# KiCad board amix 68k(r1).kicad_pcb (continued)
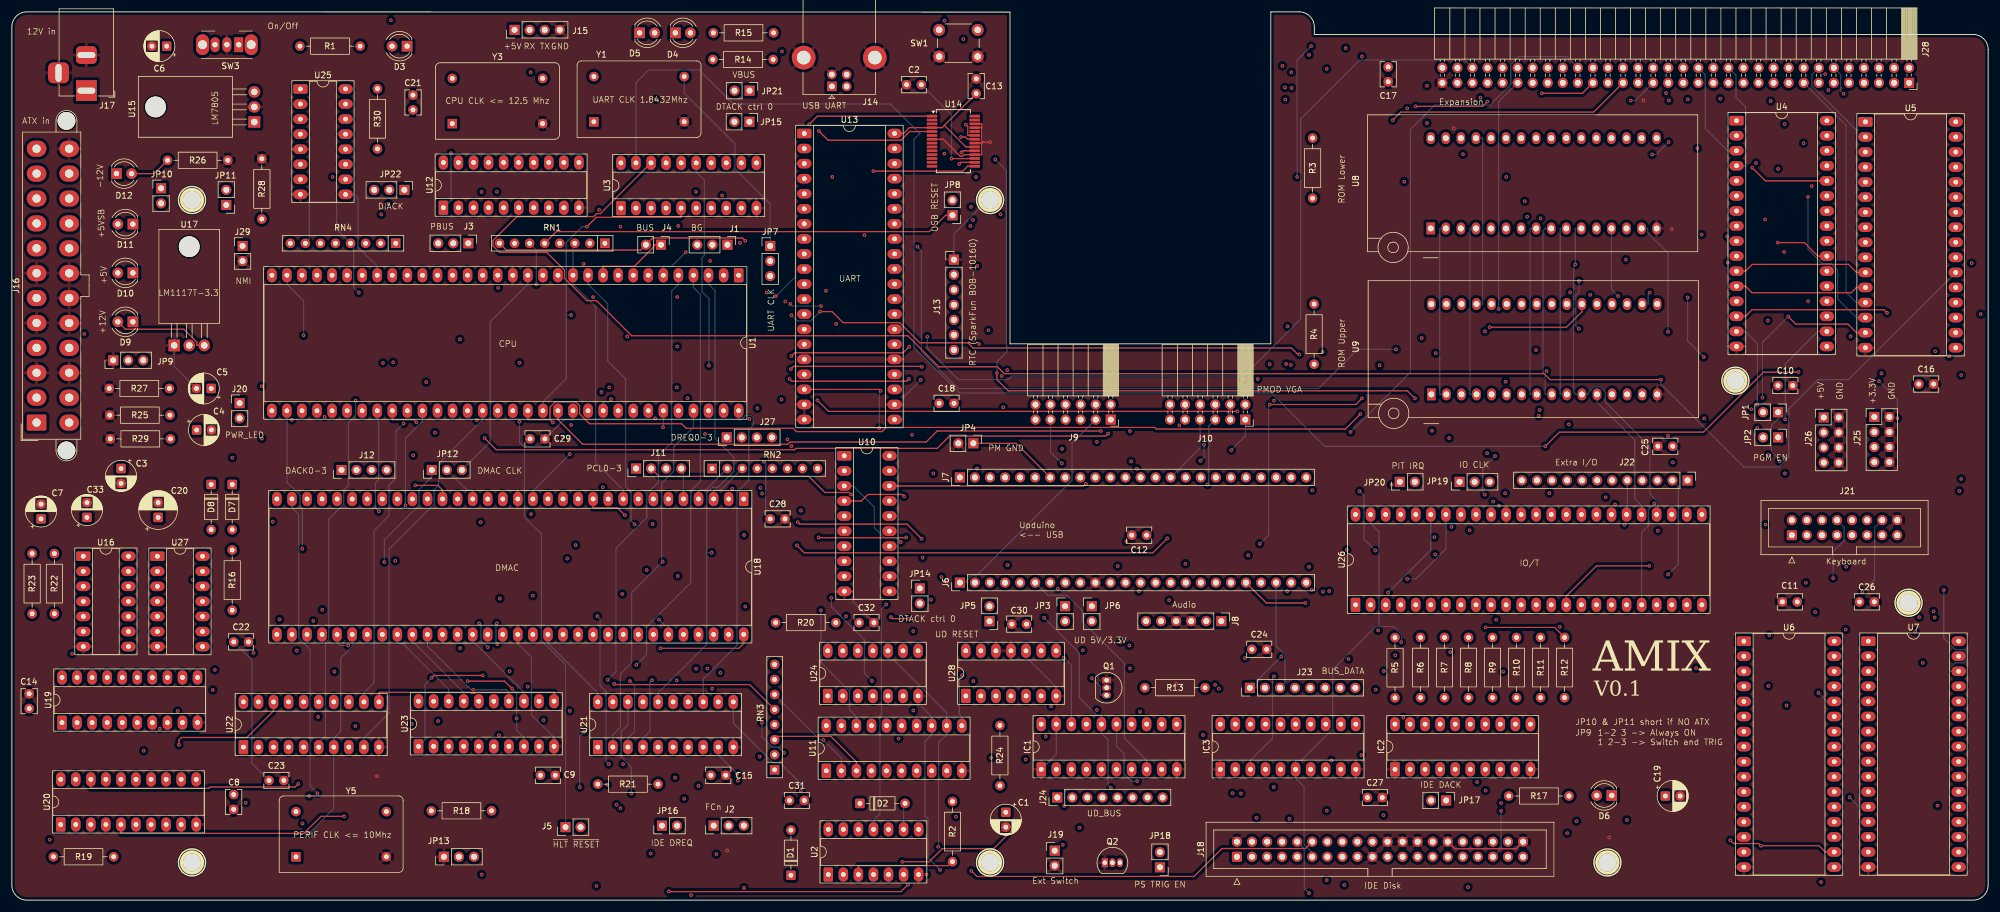
[diagram p0: board, top side]
## Footprints (pads in the part's own frame, mm; a bottom-side part is the same pattern mirrored in y, then rotated)
BarrelJack_Horizontal
  rect 3.5x3.5 hole 1x3: 1(0,0)
  rrect 3x3.5 hole 1x3: 2(-6,0)
  rrect 3.5x3.5 hole 3x1: 3(-3,-4.7)
C_Rect_L4.0mm_W2.5mm_P2.50mm
  round 1.6 hole 0.8: 1(0,0) 2(2.5,0)
CP_Radial_D5.0mm_P2.50mm
  rrect 1.6x1.6 hole 0.8: 1(0,0)
  round 1.6 hole 0.8: 2(2.5,0)
CP_Radial_D6.3mm_P2.50mm
  rrect 1.6x1.6 hole 0.8: 1(0,0)
  round 1.6 hole 0.8: 2(2.5,0)
D_DO-35_SOD27_P7.62mm_Horizontal
  rrect 1.6x1.6 hole 0.8: 1(0,0)
  round 1.6 hole 0.8: 2(7.62,0)
DIP-14_W7.62mm_Socket_LongPads
  rrect 2.4x1.6 hole 0.8: 1(0,0)
  oval 2.4x1.6 hole 0.8: 2(0,-2.54) 3(0,-5.08) 4(0,-7.62) 5(0,-10.16) 6(0,-12.7) 7(0,-15.24) 8(7.62,-15.24) 9(7.62,-12.7) 10(7.62,-10.16) 11(7.62,-7.62) 12(7.62,-5.08) 13(7.62,-2.54) 14(7.62,0)
DIP-16_W7.62mm_Socket_LongPads
  rrect 2.4x1.6 hole 0.8: 1(0,0)
  oval 2.4x1.6 hole 0.8: 2(0,-2.54) 3(0,-5.08) 4(0,-7.62) 5(0,-10.16) 6(0,-12.7) 7(0,-15.24) 8(0,-17.78) 9(7.62,-17.78) 10(7.62,-15.24) 11(7.62,-12.7) 12(7.62,-10.16) 13(7.62,-7.62) 14(7.62,-5.08) 15(7.62,-2.54) 16(7.62,0)
DIP-20_W7.62mm_Socket_LongPads
  rrect 2.4x1.6 hole 0.8: 1(0,0)
  oval 2.4x1.6 hole 0.8: 2(0,-2.54) 3(0,-5.08) 4(0,-7.62) 5(0,-10.16) 6(0,-12.7) 7(0,-15.24) 8(0,-17.78) 9(0,-20.32) 10(0,-22.86) 11(7.62,-22.86) 12(7.62,-20.32) 13(7.62,-17.78) 14(7.62,-15.24) 15(7.62,-12.7) 16(7.62,-10.16) 17(7.62,-7.62) 18(7.62,-5.08) 19(7.62,-2.54) 20(7.62,0)
DIP-32_W15.24mm_Socket_LongPads
  rrect 2.4x1.6 hole 0.8: 1(0,0)
  oval 2.4x1.6 hole 0.8: 2(0,-2.54) 3(0,-5.08) 4(0,-7.62) 5(0,-10.16) 6(0,-12.7) 7(0,-15.24) 8(0,-17.78) 9(0,-20.32) 10(0,-22.86) 11(0,-25.4) 12(0,-27.94) 13(0,-30.48) 14(0,-33.02) 15(0,-35.56) 16(0,-38.1) 17(15.24,-38.1) 18(15.24,-35.56) 19(15.24,-33.02) 20(15.24,-30.48) 21(15.24,-27.94) 22(15.24,-25.4) 23(15.24,-22.86) 24(15.24,-20.32) 25(15.24,-17.78) 26(15.24,-15.24) 27(15.24,-12.7) 28(15.24,-10.16) 29(15.24,-7.62) 30(15.24,-5.08) 31(15.24,-2.54) 32(15.24,0)
DIP-40_W15.24mm_Socket_LongPads
  rrect 2.4x1.6 hole 0.8: 1(0,0)
  oval 2.4x1.6 hole 0.8: 2(0,-2.54) 3(0,-5.08) 4(0,-7.62) 5(0,-10.16) 6(0,-12.7) 7(0,-15.24) 8(0,-17.78) 9(0,-20.32) 10(0,-22.86) 11(0,-25.4) 12(0,-27.94) 13(0,-30.48) 14(0,-33.02) 15(0,-35.56) 16(0,-38.1) 17(0,-40.64) 18(0,-43.18) 19(0,-45.72) 20(0,-48.26) 21(15.24,-48.26) 22(15.24,-45.72) 23(15.24,-43.18) 24(15.24,-40.64) 25(15.24,-38.1) 26(15.24,-35.56) 27(15.24,-33.02) 28(15.24,-30.48) 29(15.24,-27.94) 30(15.24,-25.4) 31(15.24,-22.86) 32(15.24,-20.32) 33(15.24,-17.78) 34(15.24,-15.24) 35(15.24,-12.7) 36(15.24,-10.16) 37(15.24,-7.62) 38(15.24,-5.08) 39(15.24,-2.54) 40(15.24,0)
DIP-48_W15.24mm_Socket_LongPads
  rrect 2.4x1.6 hole 0.8: 1(0,0)
  oval 2.4x1.6 hole 0.8: 2(0,-2.54) 3(0,-5.08) 4(0,-7.62) 5(0,-10.16) 6(0,-12.7) 7(0,-15.24) 8(0,-17.78) 9(0,-20.32) 10(0,-22.86) 11(0,-25.4) 12(0,-27.94) 13(0,-30.48) 14(0,-33.02) 15(0,-35.56) 16(0,-38.1) 17(0,-40.64) 18(0,-43.18) 19(0,-45.72) 20(0,-48.26) 21(0,-50.8) 22(0,-53.34) 23(0,-55.88) 24(0,-58.42) 25(15.24,-58.42) 26(15.24,-55.88) 27(15.24,-53.34) 28(15.24,-50.8) 29(15.24,-48.26) 30(15.24,-45.72) 31(15.24,-43.18) 32(15.24,-40.64) 33(15.24,-38.1) 34(15.24,-35.56) 35(15.24,-33.02) 36(15.24,-30.48) 37(15.24,-27.94) 38(15.24,-25.4) 39(15.24,-22.86) 40(15.24,-20.32) 41(15.24,-17.78) 42(15.24,-15.24) 43(15.24,-12.7) 44(15.24,-10.16) 45(15.24,-7.62) 46(15.24,-5.08) 47(15.24,-2.54) 48(15.24,0)
DIP-64_W22.86mm_Socket_LongPads
  rrect 2.4x1.6 hole 0.8: 1(0,0)
  oval 2.4x1.6 hole 0.8: 2(0,-2.54) 3(0,-5.08) 4(0,-7.62) 5(0,-10.16) 6(0,-12.7) 7(0,-15.24) 8(0,-17.78) 9(0,-20.32) 10(0,-22.86) 11(0,-25.4) 12(0,-27.94) 13(0,-30.48) 14(0,-33.02) 15(0,-35.56) 16(0,-38.1) 17(0,-40.64) 18(0,-43.18) 19(0,-45.72) 20(0,-48.26) 21(0,-50.8) 22(0,-53.34) 23(0,-55.88) 24(0,-58.42) 25(0,-60.96) 26(0,-63.5) 27(0,-66.04) 28(0,-68.58) 29(0,-71.12) 30(0,-73.66) 31(0,-76.2) 32(0,-78.74) 33(22.86,-78.74) 34(22.86,-76.2) 35(22.86,-73.66) 36(22.86,-71.12) 37(22.86,-68.58) 38(22.86,-66.04) 39(22.86,-63.5) 40(22.86,-60.96) 41(22.86,-58.42) 42(22.86,-55.88) 43(22.86,-53.34) 44(22.86,-50.8) 45(22.86,-48.26) 46(22.86,-45.72) 47(22.86,-43.18) 48(22.86,-40.64) 49(22.86,-38.1) 50(22.86,-35.56) 51(22.86,-33.02) 52(22.86,-30.48) 53(22.86,-27.94) 54(22.86,-25.4) 55(22.86,-22.86) 56(22.86,-20.32) 57(22.86,-17.78) 58(22.86,-15.24) 59(22.86,-12.7) 60(22.86,-10.16) 61(22.86,-7.62) 62(22.86,-5.08) 63(22.86,-2.54) 64(22.86,0)
DIP_Socket-32_W11.9_W12.7_W15.24_W17.78_W18.5_3M_232-1285-00-0602J
  rect 2x1.44 hole 1: 1(0,0)
  oval 2x1.44 hole 1: 2(0,-2.54) 3(0,-5.08) 4(0,-7.62) 5(0,-10.16) 6(0,-12.7) 7(0,-15.24) 8(0,-17.78) 9(0,-20.32) 10(0,-22.86) 11(0,-25.4) 12(0,-27.94) 13(0,-30.48) 14(0,-33.02) 15(0,-35.56) 16(0,-38.1) 17(15.24,-38.1) 18(15.24,-35.56) 19(15.24,-33.02) 20(15.24,-30.48) 21(15.24,-27.94) 22(15.24,-25.4) 23(15.24,-22.86) 24(15.24,-20.32) 25(15.24,-17.78) 26(15.24,-15.24) 27(15.24,-12.7) 28(15.24,-10.16) 29(15.24,-7.62) 30(15.24,-5.08) 31(15.24,-2.54) 32(15.24,0)
Hole_3mm
  round 4.064 hole 3.048: 1(0,0)
IDC-Header_2x08_P2.54mm_Vertical
  rrect 1.7x1.7 hole 1: 1(0,0)
  round 1.7 hole 1: 2(2.54,0) 3(0,-2.54) 4(2.54,-2.54) 5(0,-5.08) 6(2.54,-5.08) 7(0,-7.62) 8(2.54,-7.62) 9(0,-10.16) 10(2.54,-10.16) 11(0,-12.7) 12(2.54,-12.7) 13(0,-15.24) 14(2.54,-15.24) 15(0,-17.78) 16(2.54,-17.78)
IDC-Header_2x20_P2.54mm_Vertical
  rrect 1.7x1.7 hole 1: 1(0,0)
  round 1.7 hole 1: 2(2.54,0) 3(0,-2.54) 4(2.54,-2.54) 5(0,-5.08) 6(2.54,-5.08) 7(0,-7.62) 8(2.54,-7.62) 9(0,-10.16) 10(2.54,-10.16) 11(0,-12.7) 12(2.54,-12.7) 13(0,-15.24) 14(2.54,-15.24) 15(0,-17.78) 16(2.54,-17.78) 17(0,-20.32) 18(2.54,-20.32) 19(0,-22.86) 20(2.54,-22.86) 21(0,-25.4) 22(2.54,-25.4) 23(0,-27.94) 24(2.54,-27.94) 25(0,-30.48) 26(2.54,-30.48) 27(0,-33.02) 28(2.54,-33.02) 29(0,-35.56) 30(2.54,-35.56) 31(0,-38.1) 32(2.54,-38.1) 33(0,-40.64) 34(2.54,-40.64) 35(0,-43.18) 36(2.54,-43.18) 37(0,-45.72) 38(2.54,-45.72) 39(0,-48.26) 40(2.54,-48.26)
LED_D4.0mm
  rect 1.8x1.8 hole 0.9: 1(0,0)
  round 1.8 hole 0.9: 2(2.54,0)
Molex_Mini-Fit_Jr_5566-24A2_2x12_P4.20mm_Vertical
  round 3 hole 3 unplated: (-4.7,-5.04) (50.9,-5.04)
  rrect 2.7x3.3 hole 1.4: 1(0,0)
  oval 2.7x3.3 hole 1.4: 2(4.2,0) 3(8.4,0) 4(12.6,0) 5(16.8,0) 6(21,0) 7(25.2,0) 8(29.4,0) 9(33.6,0) 10(37.8,0) 11(42,0) 12(46.2,0) 13(0,-5.5) 14(4.2,-5.5) 15(8.4,-5.5) 16(12.6,-5.5) 17(16.8,-5.5) 18(21,-5.5) 19(25.2,-5.5) 20(29.4,-5.5) 21(33.6,-5.5) 22(37.8,-5.5) 23(42,-5.5) 24(46.2,-5.5)
Oscillator_DIP-14
  rect 1.6x1.6 hole 0.8: 1(0,0)
  round 1.6 hole 0.8: 7(15.24,0) 8(15.24,7.62) 14(0,7.62)
PinHeader_1x02_P2.54mm_Vertical
  rect 1.7x1.7 hole 1: 1(0,0)
  round 1.7 hole 1: 2(0,-2.54)
PinHeader_1x03_P2.54mm_Vertical
  rect 1.7x1.7 hole 1: 1(0,0)
  round 1.7 hole 1: 2(0,-2.54) 3(0,-5.08)
PinHeader_1x04_P2.54mm_Vertical
  rect 1.7x1.7 hole 1: 1(0,0)
  round 1.7 hole 1: 2(0,-2.54) 3(0,-5.08) 4(0,-7.62)
PinHeader_1x06_P2.54mm_Vertical
  rect 1.7x1.7 hole 1: 1(0,0)
  round 1.7 hole 1: 2(0,-2.54) 3(0,-5.08) 4(0,-7.62) 5(0,-10.16) 6(0,-12.7)
PinHeader_1x07_P2.54mm_Vertical
  rect 1.7x1.7 hole 1: 1(0,0)
  round 1.7 hole 1: 2(0,-2.54) 3(0,-5.08) 4(0,-7.62) 5(0,-10.16) 6(0,-12.7) 7(0,-15.24)
PinHeader_1x08_P2.54mm_Vertical
  rect 1.7x1.7 hole 1: 1(0,0)
  round 1.7 hole 1: 2(0,-2.54) 3(0,-5.08) 4(0,-7.62) 5(0,-10.16) 6(0,-12.7) 7(0,-15.24) 8(0,-17.78)
PinHeader_1x12_P2.54mm_Vertical
  rect 1.7x1.7 hole 1: 1(0,0)
  round 1.7 hole 1: 2(0,-2.54) 3(0,-5.08) 4(0,-7.62) 5(0,-10.16) 6(0,-12.7) 7(0,-15.24) 8(0,-17.78) 9(0,-20.32) 10(0,-22.86) 11(0,-25.4) 12(0,-27.94)
PinHeader_1x24_P2.54mm_Vertical
  rect 1.7x1.7 hole 1: 1(0,0)
  round 1.7 hole 1: 2(0,-2.54) 3(0,-5.08) 4(0,-7.62) 5(0,-10.16) 6(0,-12.7) 7(0,-15.24) 8(0,-17.78) 9(0,-20.32) 10(0,-22.86) 11(0,-25.4) 12(0,-27.94) 13(0,-30.48) 14(0,-33.02) 15(0,-35.56) 16(0,-38.1) 17(0,-40.64) 18(0,-43.18) 19(0,-45.72) 20(0,-48.26) 21(0,-50.8) 22(0,-53.34) 23(0,-55.88) 24(0,-58.42)
PinHeader_2x04_P2.54mm_Vertical
  rect 1.7x1.7 hole 1: 1(0,0)
  round 1.7 hole 1: 2(2.54,0) 3(0,-2.54) 4(2.54,-2.54) 5(0,-5.08) 6(2.54,-5.08) 7(0,-7.62) 8(2.54,-7.62)
PinSocket_2x06_P2.54mm_Horizontal
  rect 1.7x1.7 hole 1: 1(0,0)
  round 1.7 hole 1: 2(-2.54,0) 3(0,-2.54) 4(-2.54,-2.54) 5(0,-5.08) 6(-2.54,-5.08) 7(0,-7.62) 8(-2.54,-7.62) 9(0,-10.16) 10(-2.54,-10.16) 11(0,-12.7) 12(-2.54,-12.7)
PinSocket_2x32_P2.54mm_Horizontal
  rect 1.7x1.7 hole 1: 1(0,0)
  round 1.7 hole 1: 2(-2.54,0) 3(0,-2.54) 4(-2.54,-2.54) 5(0,-5.08) 6(-2.54,-5.08) 7(0,-7.62) 8(-2.54,-7.62) 9(0,-10.16) 10(-2.54,-10.16) 11(0,-12.7) 12(-2.54,-12.7) 13(0,-15.24) 14(-2.54,-15.24) 15(0,-17.78) 16(-2.54,-17.78) 17(0,-20.32) 18(-2.54,-20.32) 19(0,-22.86) 20(-2.54,-22.86) 21(0,-25.4) 22(-2.54,-25.4) 23(0,-27.94) 24(-2.54,-27.94) 25(0,-30.48) 26(-2.54,-30.48) 27(0,-33.02) 28(-2.54,-33.02) 29(0,-35.56) 30(-2.54,-35.56) 31(0,-38.1) 32(-2.54,-38.1) 33(0,-40.64) 34(-2.54,-40.64) 35(0,-43.18) 36(-2.54,-43.18) 37(0,-45.72) 38(-2.54,-45.72) 39(0,-48.26) 40(-2.54,-48.26) 41(0,-50.8) 42(-2.54,-50.8) 43(0,-53.34) 44(-2.54,-53.34) 45(0,-55.88) 46(-2.54,-55.88) 47(0,-58.42) 48(-2.54,-58.42) 49(0,-60.96) 50(-2.54,-60.96) 51(0,-63.5) 52(-2.54,-63.5) 53(0,-66.04) 54(-2.54,-66.04) 55(0,-68.58) 56(-2.54,-68.58) 57(0,-71.12) 58(-2.54,-71.12) 59(0,-73.66) 60(-2.54,-73.66) 61(0,-76.2) 62(-2.54,-76.2) 63(0,-78.74) 64(-2.54,-78.74)
R_Array_SIP8
  rect 1.6x1.6 hole 0.8: 1(0,0)
  round 1.6 hole 0.8: 2(2.54,0) 3(5.08,0) 4(7.62,0) 5(10.16,0) 6(12.7,0) 7(15.24,0) 8(17.78,0)
R_Axial_DIN0207_L6.3mm_D2.5mm_P10.16mm_Horizontal
  round 1.6 hole 0.8: 1(0,0) 2(10.16,0)
SSOP-28_5.3x10.2mm_P0.65mm
  rect 1.75x0.45 smd: 1(-3.6,4.225) 2(-3.6,3.575) 3(-3.6,2.925) 4(-3.6,2.275) 5(-3.6,1.625) 6(-3.6,0.975) 7(-3.6,0.325) 8(-3.6,-0.325) 9(-3.6,-0.975) 10(-3.6,-1.625) 11(-3.6,-2.275) 12(-3.6,-2.925) 13(-3.6,-3.575) 14(-3.6,-4.225) 15(3.6,-4.225) 16(3.6,-3.575) 17(3.6,-2.925) 18(3.6,-2.275) 19(3.6,-1.625) 20(3.6,-0.975) 21(3.6,-0.325) 22(3.6,0.325) 23(3.6,0.975) 24(3.6,1.625) 25(3.6,2.275) 26(3.6,2.925) 27(3.6,3.575) 28(3.6,4.225)
SW_PUSH_6mm
  round 2 hole 1.1: 1(0,0) 1(6.5,0) 2(0,-4.5) 2(6.5,-4.5)
SW_Slide_SPDT_Angled_CK_OS102011MA1Q
  oval 2.2x3.5 hole 1.5: (-2.1,0) (6.1,0)
  rect 1.5x2.5 hole 0.9: 1(0,0)
  oval 1.5x2.5 hole 0.9: 2(2,0) 3(4,0)
TO-92_Inline
  rect 1.05x1.5 hole 0.75: 1(0,0)
  oval 1.05x1.5 hole 0.75: 2(1.27,0) 3(2.54,0)
TO-220-3_Horizontal_TabDown
  round 3.5 hole 3.5 unplated: (2.54,16.66)
  rect 1.905x2 hole 1.1: 1(0,0)
  oval 1.905x2 hole 1.1: 2(2.54,0) 3(5.08,0)
USB_B_Lumberg_2411_02_Horizontal
  rect 1.6x1.6 hole 0.95: 1(0,0)
  round 1.6 hole 0.95: 2(0,-2.5) 3(2,-2.5) 4(2,0)
  round 4 hole 2.3: 5(4.86,4.75) 5(4.86,-7.25)

## Nets
+3.3V: C21.1 C22.1 C23.1 IC1.20 IC2.20 J8.1 J9.1 J9.2 J10.1 J10.2 J16.1 J16.2 J16.12 J16.13 J25.1 J25.3 J25.5 J25.7 JP6.2 JP10.1
+5V: C8.1 C9.1 C10.1 C11.1 C12.1 C13.1 C14.1 C15.1 C16.1 C17.1 C18.1 C19.1 C20.1 C24.1 C25.1 C26.1 C27.1 C28.1 C29.1 C30.1 C31.1 C32.1 D10.2 IC3.20 J8.6 J13.2 J15.1 J16.4 J16.6 J16.21 J16.22 J16.23 J18.20 J18.38 J20.2 J21.2 J26.1 J26.3 J26.5 J26.7 J28.64 JP3.2 JP11.1 JP13.3 JP21.2 R1.1 R2.2 R3.2 R4.2 R14.2 R15.2 R17.2 R19.2 R20.2 R21.2 R30.2 RN1.1 RN2.1 RN3.1 RN4.1 U1.14 U1.49 U2.14 U3.20 U4.32 U5.32 U6.32 U7.32 U8.32 U9.32 U10.20 U11.20 U12.20 U13.12 U13.13 U13.40 U14.4 U14.20 U18.18 U18.51 U19.20 U20.20 U21.20 U22.20 U23.20 U24.14 U25.16 U26.12 U28.1 U28.2 U28.4 U28.10 U28.13 U28.14 Y1.14 Y3.14 Y5.14
+5VSB: D7.1 D8.1 D11.2 J16.9 R16.1 R22.1 U16.1 U16.10 U16.11 U16.12 U16.13 U16.14 U27.9 U27.11 U27.13 U27.14
+12V: C3.1 C5.1 D9.2 J16.10 J16.11 J17.1 J28.60 U15.1 U17.3
-12V: D12.1 J16.14 J28.62
GND: C1.2 C2.1 C3.2 C4.2 C5.2 C6.2 C7.2 C8.2 C9.2 C10.2 C11.2 C12.2 C13.2 C14.2 C15.2 C16.2 C17.2 C18.2 C19.2 C20.2 C21.2 C22.2 C23.2 C24.2 C25.2 C26.2 C27.2 C28.2 C29.2 C30.2 C31.2 C32.2 C33.2 HOLE1.1 HOLE2.1 HOLE3.1 HOLE4.1 HOLE5.1 HOLE6.1 HOLE7.1 IC1.1 IC1.10 IC1.19 IC2.1 IC2.10 IC3.1 IC3.10 J6.10 J8.3 J8.4 J13.1 J14.4 J14.5 J15.4 J16.3 J16.5 J16.7 J16.15 J16.17 J16.18 J16.19 J16.24 J17.2 J17.3 J18.2 J18.19 J18.22 J18.24 J18.26 J18.30 J18.40 J19.2 J21.16 J25.2 J25.4 J25.6 J25.8 J26.2 J26.4 J26.6 J26.8 J28.63 J29.2 JP4.2 JP9.1 JP13.1 Q1.1 Q2.1 R25.2 R26.2 R27.2 R28.2 R29.2 SW1.2 SW3.2 U1.16 U1.53 U2.7 U3.10 U4.16 U5.16 U6.16 U7.16 U8.16 U9.16 U10.10 U11.10 U12.10 U13.19 U13.20 U13.22 U13.25 U14.7 U14.18 U14.21 U14.25 U14.26 U15.2 U16.7 U17.1 U18.16 U18.49 U19.10 U20.10 U21.10 U22.10 U23.10 U24.7 U25.5 U25.8 U26.38 U27.7 U28.7 U28.11 U28.12 Y1.7 Y3.7 Y5.7
/UART + RTC + IDE/~{IDE_LED}: D6.1 J18.39
A0: IC1.18 U10.15
A1: IC1.17 J18.35 J28.2 U1.29 U4.12 U5.12 U6.12 U7.12 U8.12 U9.12 U10.5 U13.28 U18.57 U26.29
A2: IC1.16 J18.33 J28.4 U1.30 U4.11 U5.11 U6.11 U7.11 U8.11 U9.11 U13.27 U18.56 U26.28
A3: IC1.15 J18.36 J28.6 U1.31 U4.10 U5.10 U6.10 U7.10 U8.10 U9.10 U13.26 U18.55 U26.27
A4: IC1.14 J28.8 U1.32 U4.9 U5.9 U6.9 U7.9 U8.9 U9.9 U18.54 U26.26
A5: J28.10 U1.33 U4.8 U5.8 U6.8 U7.8 U8.8 U9.8 U18.53 U26.25
A6: J28.12 U1.34 U4.7 U5.7 U6.7 U7.7 U8.7 U9.7 U18.52
A7: J28.14 U1.35 U4.6 U5.6 U6.6 U7.6 U8.6 U9.6 U18.50
A8: J28.16 U1.36 U4.5 U5.5 U6.5 U7.5 U8.5 U9.5 U23.2
A9: J28.18 U1.37 U4.27 U5.27 U6.27 U7.27 U8.27 U9.27 U23.5
A10: J28.20 U1.38 U4.26 U5.26 U6.26 U7.26 U8.26 U9.26 U23.6
A11: J28.22 U1.39 U4.23 U5.23 U6.23 U7.23 U8.23 U9.23 U23.9
A12: J28.24 U1.40 U4.25 U5.25 U6.25 U7.25 U8.25 U9.25 U11.5 U23.12
A13: J28.26 U1.41 U4.4 U5.4 U6.4 U7.4 U8.4 U9.4 U11.6 U23.15
A14: J28.28 U1.42 U4.28 U5.28 U6.28 U7.28 U8.28 U9.28 U11.7 U23.16
A15: J28.30 U1.43 U4.3 U5.3 U6.3 U7.3 U8.29 U9.29 U11.8 U23.19
A16: J28.32 U1.44 U4.31 U5.31 U6.31 U7.31 U8.3 U9.3 U11.9 U22.2
A17: J28.34 U1.45 U4.2 U5.2 U6.2 U7.2 U8.2 U9.2 U11.11 U22.5
A18: J28.36 U1.46 U3.1 U4.30 U5.30 U6.30 U7.30 U8.30 U9.30 U22.6
A19: J28.38 U1.47 U3.2 U4.1 U5.1 U6.1 U7.1 U8.1 U9.1 U22.9
A20: J28.40 U1.48 U3.3 U22.12
A21: J28.42 U1.50 U3.4 U22.15
A22: J28.44 U1.51 U3.5 U22.16
A23: J28.46 U1.52 U3.6 U22.19
AUDIO_L: J6.15 J8.5
AUDIO_R: J6.16 J8.2
BUS_BYTESEL: IC1.2 J6.7 J24.1
BUS_CS_N: IC1.7 J6.5 J24.6
BUS_DATA0: IC2.9 IC3.11 J6.17 J23.8
BUS_DATA1: IC2.8 IC3.12 J6.18 J23.7
BUS_DATA2: IC2.7 IC3.13 J6.19 J23.6
BUS_DATA3: IC2.6 IC3.14 J6.20 J23.5
BUS_DATA4: IC2.5 IC3.15 J6.21 J23.4
BUS_DATA5: IC2.4 IC3.16 J6.22 J23.3
BUS_DATA6: IC2.3 IC3.17 J6.23 J23.2
BUS_DATA7: IC2.2 IC3.18 J6.24 J23.1
BUS_RD_NWR: IC1.8 J6.6 J24.7
BUS_REG_NUM0: IC1.3 J6.11 J24.2
BUS_REG_NUM1: IC1.4 J6.12 J24.3
BUS_REG_NUM2: IC1.5 J6.13 J24.4
BUS_REG_NUM3: IC1.6 J6.14 J24.5
BUS_RESET_N: J6.3 JP5.2
CLK: J28.31 JP12.3 JP19.3 U1.15 Y3.8
D0: J18.4 U1.5 U4.13 U6.13 U8.13 U19.18 U21.18
D1: J18.6 J28.1 U1.4 U4.14 U6.14 U8.14 U19.17 U21.17
D2: J18.8 J28.3 U1.3 U4.15 U6.15 U8.15 U19.16 U21.16
D3: J18.10 J28.5 U1.2 U4.17 U6.17 U8.17 U19.15 U21.15
D4: J18.12 J28.7 U1.1 U4.18 U6.18 U8.18 U19.14 U21.14
D5: J18.14 J28.9 U1.64 U4.19 U6.19 U8.19 U19.13 U21.13
D6: J18.16 J28.11 U1.63 U4.20 U6.20 U8.20 U19.12 U21.12
D7: J18.18 J28.13 U1.62 U4.21 U6.21 U8.21 U19.11 U21.11
D8: IC3.9 J18.17 J28.15 R12.2 U1.61 U5.13 U7.13 U9.13 U13.1 U20.18 U21.2 U26.44
D9: IC3.8 J18.15 J28.17 R11.2 U1.60 U5.14 U7.14 U9.14 U13.2 U20.17 U21.3 U26.45
D10: IC3.7 J18.13 J28.19 R10.2 U1.59 U5.15 U7.15 U9.15 U13.3 U20.16 U21.4 U26.46
D11: IC3.6 J18.11 J28.21 R9.2 U1.58 U5.17 U7.17 U9.17 U13.4 U20.15 U21.5 U26.47
D12: IC3.5 J18.9 J28.23 R8.2 U1.57 U5.18 U7.18 U9.18 U13.5 U20.14 U21.6 U26.48
D13: IC3.4 J18.7 J28.25 R7.2 U1.56 U5.19 U7.19 U9.19 U13.6 U20.13 U21.7 U26.1
D14: IC3.3 J18.5 J28.27 R6.2 U1.55 U5.20 U7.20 U9.20 U13.7 U20.12 U21.8 U26.2
D15: IC3.2 J18.3 J28.29 R5.2 U1.54 U5.21 U7.21 U9.21 U13.8 U20.11 U21.9 U26.3
DMAC_A8/D0: U18.48 U19.2 U23.3
DMAC_A9/D1: U18.47 U19.3 U23.4
DMAC_A10/D2: U18.46 U19.4 U23.7
DMAC_A11/D3: U18.45 U19.5 U23.8
DMAC_A12/D4: U18.44 U19.6 U23.13
DMAC_A13/D5: U18.43 U19.7 U23.14
DMAC_A14/D6: U18.42 U19.8 U23.17
DMAC_A15/D7: U18.41 U19.9 U23.18
DMAC_A16/D8: U18.40 U20.2 U22.3
DMAC_A17/D9: U18.39 U20.3 U22.4
DMAC_A18/D10: U18.38 U20.4 U22.7
DMAC_A19/D11: U18.37 U20.5 U22.8
DMAC_A20/D12: U18.36 U20.6 U22.13
DMAC_A21/D13: U18.35 U20.7 U22.14
DMAC_A22/D14: U18.34 U20.8 U22.17
DMAC_A23/D15: U18.33 U20.9 U22.18
DMAC_PCL0: J11.1 U18.8
DMAC_PCL1: J11.2 J28.54 U18.7
DMAC_PCL2: J11.3 U18.6
DMAC_PCL3: J11.4 U18.5
DV_CLK: J7.24 J10.6
DV_DE: J7.23 J10.8
E: J3.2 J28.55 U1.20
FC0: J2.1 J28.57 U1.28 U12.5 U18.32
FC1: J2.2 J28.59 U1.27 U12.6 U18.31
FC2: J2.3 J28.61 U1.26 U12.7 U18.30
IO/~{M}: U3.13 U11.1
IRQ_UART: U2.11 U13.30
JBODGE_GND: J7.7 JP4.1
JBUS_RESET_N: IC1.9 J24.8 JP5.1
KYBD_CAPS_LED: J21.12 U26.21
KYBD_CODE_LED: J21.14 U26.22
KYBD_COL_0: J21.1 U26.4
KYBD_COL_1: J21.3 U26.5
KYBD_COL_2: J21.5 U26.6
KYBD_COL_3: J21.7 U26.7
KYBD_COL_4: J21.9 U26.8
KYBD_COL_5: J21.11 U26.9
KYBD_COL_6: J21.13 U26.10
KYBD_COL_7: J21.15 U26.11
KYBD_ROW_A: J21.4 U26.17
KYBD_ROW_B: J21.6 U26.18
KYBD_ROW_C: J21.8 U26.19
KYBD_ROW_D: J21.10 U26.20
PCLK: J28.33 JP7.3 JP12.1 JP19.1 Y5.8
PMOD_GND: J6.1 J9.3 J9.4 J10.3 J10.4
PS_TRIG: R24.1 U11.14
R/~{W}: IC1.12 J28.35 RN3.6 U1.9 U3.7 U10.1 U11.2 U18.15 U21.1 U26.43
RESET: U2.8 U13.35
RTC_CIPO: J13.5 U13.38
RTC_CLK: J13.4 U13.34
RTC_COPI: J13.6 U13.33
RTC_SQW: J13.3 U13.37
RTC_SS: J13.7 U13.31
UART_CLK: JP7.1 Y1.8
UART_RX: J15.2 U13.10 U14.1
UART_TX: J15.3 U13.11 U14.5
UD_3V3: J6.9 JP6.1
UD_5V: J6.8 JP3.1
UD_IRQ: J7.6 U28.3
USB_D+: J14.3 U14.15
USB_D-: J14.2 U14.16
VGA_B0: J7.22 J9.12
VGA_B1: J7.19 J9.10
VGA_B2: J7.16 J9.8
VGA_B3: J7.13 J9.6
VGA_G0: J7.21 J10.11
VGA_G1: J7.18 J10.9
VGA_G2: J7.15 J10.7
VGA_G3: J7.12 J10.5
VGA_HS: J7.9 J10.12
VGA_R0: J7.20 J9.11
VGA_R1: J7.17 J9.9
VGA_R2: J7.14 J9.7
VGA_R3: J7.11 J9.5
VGA_VS: J7.10 J10.10
~{AS}: J28.37 RN3.4 U1.6 U3.11 U10.4 U18.14
~{BERR}: J4.2 J28.47 RN1.8 U1.22
~{BGACK}: J1.1 RN1.3 U1.12 U18.9
~{BG}: J1.2 J28.43 U1.11 U18.58
~{BR}: J1.3 J28.45 RN1.2 U1.13 U18.59
~{DMAC_ACK0}: J12.1 JP17.2 U18.26
~{DMAC_ACK1}: J12.2 J28.52 U18.25
~{DMAC_ACK2}: J12.3 U18.24
~{DMAC_ACK3}: J12.4 U18.23
~{DMAC_BEC0}: RN2.6 U18.29
~{DMAC_BEC1}: RN2.7 U18.28
~{DMAC_BEC2}: RN2.8 U18.27
~{DMAC_CS}: U11.16 U18.17
~{DMAC_IACK}: JP22.1 U12.17
~{DMAC_IRQ}: RN4.4 U12.4 U18.21 U25.13
~{DMAC_OWN}: RN3.8 U18.60 U22.1 U23.1
~{DMAC_REQ0}: J27.1 JP16.1 RN2.2 U18.4
~{DMAC_REQ1}: J27.2 J28.50 RN2.3 U18.3
~{DMAC_REQ2}: J27.3 RN2.4 U18.2
~{DMAC_REQ3}: J27.4 RN2.5 U18.1
~{DMAC_UAS}: RN3.7 U2.5 U18.61
~{DTACK}: J4.1 J28.49 JP14.2 JP15.2 R18.2 U1.10 U18.11 U26.42
~{DTC}: RN3.5 U18.10
~{FPGA_CS}: IC1.13 U11.19 U24.4 U24.9
~{FPGA_R}: IC3.19 U24.6
~{FPGA_W}: IC2.19 U24.8
~{HALT}: D1.2 D3.1 J5.1 J28.51 RN1.4 U1.17
~{IACK}: JP22.3 U12.18
~{IDE0_CS}: J18.37 U11.17
~{IDE_IRQ}: J18.31 RN4.3 U12.3 U25.12
~{IO_R}: J18.25 U11.13 U24.5
~{IO_W}: J18.23 U11.12 U24.10
~{IPL0}: U1.25 U25.9
~{IPL1}: U1.24 U25.7
~{IPL2}: U1.23 U25.6
~{IRQ_5}: J28.56 RN4.6 U25.2
~{IRQ_6}: J28.58 RN4.7 U25.3
~{IRQ_7}: J29.1 RN4.8 U25.4
~{IRQ_PIT}: JP20.2 R30.1 RN4.5 U25.1
~{IRQ_UART}: U2.10 U12.2 U25.11
~{IRQX}: Q1.3 RN4.2 U12.1 U25.10
~{LDS}: J28.41 RN3.3 U1.8 U3.8 U10.2 U11.3 U18.13
~{PGM_L}: JP1.2 R3.1 U8.31
~{PGM_U}: JP2.2 R4.1 U9.31
~{PPI_CS}: U11.15 U26.41
~{PS_ON}: J16.16 JP9.2
~{RAM0_L_CS}: U3.19 U4.22
~{RAM0_U_CS}: U3.18 U5.22
~{RAM1_L_CS}: U3.17 U6.22
~{RAM1_U_CS}: U3.16 U7.22
~{RD_L}: U4.24 U6.24 U8.24 U10.19
~{RD_U}: U5.24 U7.24 U9.24 U10.17 U13.21
~{RESET}: D2.2 IC1.11 J5.2 J18.1 J28.53 JP8.1 RN1.5 U1.18 U2.9 U26.39
~{ROM_L_CS}: U3.15 U8.22
~{ROM_U_CS}: U3.14 U9.22
~{UART_CS}: U11.18 U13.14
~{UDS}: J28.39 RN3.2 U1.7 U3.9 U10.3 U11.4 U18.12
~{VMA}: J3.1 J28.48 RN1.6 U1.19
~{VPA}: J3.3 RN1.7 U1.21 U12.19
~{WR_L}: JP1.1 U4.29 U6.29 U10.18
~{WR_U}: JP2.1 U5.29 U7.29 U10.16 U13.18
Net-(C1-Pad1): C1.1 R2.1 SW1.1 U2.3
Net-(D1-K): D1.1 D2.1 U2.2
Net-(D3-A): D3.2 R1.2
Net-(D4-A): D4.2 R14.1
Net-(D4-K): D4.1 U14.23
Net-(D5-A): D5.2 R15.1
Net-(D5-K): D5.1 U14.22
Net-(D6-A): D6.2 R17.1
Net-(D7-A): C7.1 D7.2 R16.2 U27.3
Net-(D8-A): C33.1 D8.2 R23.2 U27.1
Net-(D9-K): D9.1 R25.1
Net-(D10-K): D10.1 R27.1
Net-(D11-K): D11.1 R28.1
Net-(D12-A): D12.2 R26.1
Net-(IC2-B0): IC2.18 R5.1
Net-(IC2-B1): IC2.17 R6.1
Net-(IC2-B2): IC2.16 R7.1
Net-(IC2-B3): IC2.15 R8.1
Net-(IC2-B4): IC2.14 R9.1
Net-(IC2-B5): IC2.13 R10.1
Net-(IC2-B6): IC2.12 R11.1
Net-(IC2-B7): IC2.11 R12.1
Net-(J14-VBUS): J14.1 JP21.1
Net-(J18-Pin_21): J18.21 U2.13
Net-(J18-Pin_29): J18.29 JP17.1
Net-(J19-Pin_1): J19.1 JP18.2 R22.2 R23.1 SW3.1
Net-(J20-Pin_1): J20.1 R29.1
Net-(J22-Pin_1): J22.1 U26.13
Net-(J22-Pin_2): J22.2 U26.14
Net-(J22-Pin_3): J22.3 U26.15
Net-(J22-Pin_4): J22.4 U26.16
Net-(J22-Pin_5): J22.5 U26.30
Net-(J22-Pin_6): J22.6 U26.31
Net-(J22-Pin_7): J22.7 U26.32
Net-(J22-Pin_8): J22.8 JP20.1 U26.33
Net-(J22-Pin_9): J22.9 U26.34
Net-(J22-Pin_10): J22.10 U26.35
Net-(J22-Pin_11): J22.11 U26.36
Net-(J22-Pin_12): J22.12 U26.37
Net-(JP7-C): JP7.2 U13.16
Net-(JP8-B): JP8.2 U14.19
Net-(JP9-B): JP9.3 U16.5
Net-(JP10-B): C4.1 JP10.2 U17.2
Net-(JP11-B): C6.1 JP11.2 U15.3
Net-(JP12-C): JP12.2 U18.19
Net-(JP13-C): JP13.2 R18.1
Net-(JP14-A): JP14.1 U10.14
Net-(JP15-A): JP15.1 U3.12
Net-(JP16-B): JP16.2 U2.12
Net-(JP18-A): JP18.1 Q2.3
Net-(JP19-C): JP19.2 U26.40
Net-(JP22-C): JP22.2 U18.20
Net-(Q1-B): Q1.2 R13.2
Net-(Q2-B): Q2.2 R24.2
Net-(U2-Pad1): U2.1 U2.4
Net-(U13-RCLK): U13.9 U13.15
Net-(U14-3V3OUT): C2.2 U14.17
Net-(U16A-C): U16.3 U27.2
Net-(U16A-D): U16.2 U16.6
Net-(U16A-~{S}): U16.4 U27.6
Net-(U18-~{DBEN}): R20.1 U18.63 U19.19 U20.19
Net-(U18-~{DDIR}): R19.1 U18.64 U19.1 U20.1
Net-(U18-~{HIBYTE}): R21.1 U18.62 U21.19
Net-(U22-LE): U2.6 U22.11 U23.11
Net-(U27-Pad4): U27.4 U27.5
Net-(U28A-Q): R13.1 U28.5

Pads without a net: J6 2 4; J7 1 2 3 4 5 8; J16 8 20; J18 27 28 32 34; SW3 3; U10 6 7 8 9 11 12 13; U12 8 9 11 12 13 14 15 16; U13 17 23 24 29 32 36 39; U14 2 3 6 8 9 10 11 12 13 14 24 27 28; U16 8 9; U18 22; U24 1 2 3 11 12 13; U25 14 15; U26 23 24; U27 8 10 12; U28 6 8 9; Y1 1; Y3 1; Y5 1

## Via types
v1: diameter 0.6, hole 0.3, Top to Bottom, 521 vias

## Routing (per net, layer and track width the routed paths; a pad name or vN(x,y) marks a point on that pad's centre or on a via; arc(x,y) is an arc through that point)
+3.3V: length 633.9
  In1.Cu w0.2: 230.83,36.32 230.67,36.48 ; 230.83,36.32 230.67,36.48 ; 230.83,36.32 231.07,36.08 231.07,33.43 233.31,31.19 IC2.20 ; 230.67,36.48 230.67,45.31 v1(230.47,45.51) ; v1(37.2,74.64) 36,73.44 36,44.99 C22.1 ; J16.1 J16.2 4.17,86.42 4.05,86.42 1.77,88.7 1.77,122.82 4.07,125.12 4.17,125.12 J16.12 ; J25.1 J25.3 J25.5 J25.7 ; J8.1 204.02,48.22 204.37,48.57 204.37,74.59 v1(205.71,75.93) ; IC1.20 173.64,31.88 174.89,33.13 174.89,37.23 182.17,44.51 JP6.2 ; J9.1 J9.2 ; J10.1 J10.2
  In2.Cu w0.2: 286.44,80.64 286.82,80.26 312.89,80.26 J25.3 ; 286.44,80.64 286.28,80.47 ; 286.44,80.64 286.28,80.47 ; 154.45,48.33 154.46,48.34 ; 154.45,48.33 154.46,48.34 ; 154.45,48.33 154.22,48.1 150.43,48.1 150.19,48.34 146.13,48.34 145.59,48.89 138.02,48.89 137.41,49.49 127.7,49.49 127.21,48.99 ; 154.46,48.34 154.68,48.34 154.69,48.33 ; C22.1 41.81,47.96 45.4,47.96 45.52,47.84 50.16,47.84 50.44,48.12 87.24,48.12 88.05,48.93 127.14,48.93 ; 24.02,120.45 19.35,125.12 4.17,125.12 J16.12 ; 24.02,120.45 24.02,120.09 JP10.1 ; 24.02,120.45 33.59,130.02 42.02,130.02 42.63,130.64 64.99,130.64 C21.1 ; v1(37.2,74.64) 13.94,74.64 9.67,78.92 J16.13 J16.1 ; 286.28,80.47 271.15,80.47 270.58,81.04 242.69,81.04 ; J10.2 206.89,84.79 186.55,84.79 J9.2 ; 242.69,81.04 242.52,80.87 ; 242.69,81.04 242.52,80.87 ; 242.52,80.87 209.42,80.87 209.22,81.07 J10.1 ; 154.69,48.33 154.77,48.41 ; 154.69,48.33 154.77,48.41 ; 127.14,48.93 127.21,48.99 ; 127.14,48.93 127.21,48.99 ; 154.77,48.41 180.81,48.41 JP6.2 183.39,48.27 203.39,48.27 204.6,47.07 ; 204.6,47.07 205.17,47.07 206.73,45.51 v1(230.47,45.51) ; 204.6,47.07 J8.1
  Bottom w0.2: v1(205.71,75.93) 208.07,78.29 J10.1 ; C23.1 40.5,23.07 40.5,40.49 C22.1
+5V: length 1654.1
  Top w0.2: 157.31,130.71 160.94,127.07 U14.20 ; 157.31,130.71 156.92,130.32 U14.4 151.39,130.32 150.41,129.34 U13.40 ; 157.31,130.71 157.31,130.71 C13.1
  In1.Cu w0.2: 203.85,30.44 205.28,29.01 205.28,18.68 v1(205.91,18.05) ; 203.85,30.44 IC3.20 ; 203.85,30.44 203.85,31.19 204.21,31.55 204.21,37.9 208.63,42.32 ; 208.63,42.32 207.02,43.93 207.02,57.65 219.67,70.3 R4.2 219.67,99.01 220.77,100.11 220.77,127.22 R3.2 ; 208.63,42.32 C24.1 ; 136.08,15.71 132.28,15.71 C31.1 128.67,19.32 RN3.1 ; 136.08,15.71 136.08,15.08 137.72,13.44 U2.14 ; 136.08,15.71 136.08,27.07 136.95,27.94 137.39,27.94 U11.20 137.39,30.94 138.8,32.35 138.8,39.4 137.63,40.57 U24.14 137.63,43.57 ; U13.40 150.41,129.34 157.03,122.72 157.03,114.43 157.26,114.19 ; 239.96,100.57 U9.32 239.96,100.57 ; 239.96,100.57 240.47,100.57 240.47,128.46 240.37,128.56 U8.32 239.35,138.47 J28.64 ; J20.2 36.17,81.3 ; 36.17,81.3 JP11.1 ; 36.17,81.3 36.17,76.07 32.92,72.82 ; 137.63,43.57 137.63,45.45 R20.2 ; 137.63,43.57 127.92,53.28 C28.1 ; J18.38 252.38,17.44 R17.2 252.51,31.27 254.95,33.71 254.95,47.97 254.6,48.32 U26.12 ; C12.1 191.61,61.38 191.61,47.36 J8.6 ; J15.1 82.49,146.82 Y3.14 72.79,137.12 U12.20 ; J16.4 4.17,94.82 4.05,94.82 2.22,96.65 2.22,98.07 4.07,99.92 4.17,99.92 J16.6 4.17,103.22 4.27,103.22 7.21,106.16 7.21,110.18 9.55,112.52 9.67,112.52 J16.21 J16.22 J16.23 ; 84.5,81.07 85.03,80.54 85.03,80.44 85.48,80 85.57,80 86.02,79.55 ; 84.5,81.07 80.27,76.84 U18.18 ; 84.5,81.07 U1.49 ; 157.43,114.03 157.43,107.01 J13.2 160.49,103.95 160.49,87.89 C18.1 156.28,83.82 149.54,77.08 149.54,74.96 U10.20 ; 157.43,114.03 157.26,114.19 ; 157.43,114.03 157.26,114.19 ; R15.2 128.42,146.24 R14.2 127.15,141.82 JP21.2 ; R19.2 7.01,17.65 8.24,18.88 U20.20 8.24,21.88 7.34,22.78 7.34,32.32 ; C10.1 303.3,81.44 J26.1 J26.3 J26.5 J26.7 301.44,69.63 301.44,64.11 ; U13.13 135.17,98.86 135.17,98.86 135.17,99.22 135,99.39 135,101.4 U13.12 ; 32.92,72.82 C20.1 ; 32.92,72.82 35.26,70.49 35.26,38.74 39.06,34.94 U22.20 39.06,31.94 37.42,30.3 C8.1 ; RN4.1 64.75,111.92 62.31,114.36 v1(62.31,115.69) 62.31,126.1 R30.2 61.67,132.97 57.79,136.85 U25.16 54.79,136.85 54.79,137.87 R1.1 ; U28.14 U28.1 158.86,32.39 158.86,16.84 R2.2 ; C11.1 301.44,50.59 301.44,64.11 ; RN1.1 100.04,120.18 102.74,122.88 U3.20 102.74,134.38 Y1.14 ; J18.20 228.67,10.71 C27.1 ; C26.1 308.73,47.38 308.73,45.41 308.91,45.23 308.91,43.68 U6.32 ; 301.44,64.11 J21.2 ; C30.1 171.08,46.48 U28.10 171.08,38.49 168.54,35.95 U28.4 ; 7.34,32.32 7.34,34.95 8.46,36.07 U19.20 ; 7.34,32.32 C14.1 ; C29.1 87.42,78.15 86.02,79.55 ; 86.02,79.55 88.31,81.84 88.31,84.2 88.33,84.22 88.33,84.69 88.53,84.89 88.53,85.45 88.78,85.7 88.78,86.33 88.98,86.53 88.98,87.94 89.18,88.14 89.18,88.77 89.38,88.97 89.38,92.26 89.58,92.46 89.58,102.67 89.58,102.67 U1.14 ; JP13.3 89.17,18.53 C9.1 90.27,22.17 90.27,43.16 90.43,43.32 U18.51 ; C16.1 321.67,126.56 326.41,131.3 U5.32
  In2.Cu w0.2: J28.64 232.31,140.42 C17.1 ; C26.1 C11.1 300.06,51.43 289.66,51.43 286.55,48.32 276.39,48.32 275.99,47.92 255,47.92 254.6,48.32 U26.12 ; U10.20 146.54,74.96 145.38,73.8 136.49,73.8 136.31,73.97 v1(126.87,73.97) 119.23,73.97 ; RN3.1 127.57,21.99 127.37,22.19 119.04,22.19 C15.1 117.71,21.28 110.71,21.28 R21.2 107.48,21.09 96.41,21.09 95.24,19.92 90.32,19.92 C9.1 ; R20.2 C32.1 145.36,44.38 160.11,44.38 160.92,43.57 ; 119.23,73.97 91.27,73.97 C29.1 ; 119.23,73.97 119.23,72.82 RN2.1 ; C19.1 277.79,16.44 253.64,16.44 R17.2 ; 163.46,35.95 168.54,35.95 U28.4 ; 163.46,35.95 U28.2 ; 163.46,35.95 162.42,35.95 U28.1 ; U7.32 326.9,43.69 325.76,42.55 310.09,42.55 308.96,43.68 U6.32 ; D10.2 15.28,103.22 4.17,103.22 J16.6 ; U1.14 89.58,106.93 95.18,106.93 98.94,110.69 98.94,110.82 RN1.1 ; J13.2 158.61,105.21 147.96,105.21 144.15,101.4 U13.12 ; U23.20 68.6,34.9 68.56,34.94 39.06,34.94 U22.20 ; C27.1 206.64,17.32 v1(205.91,18.05) ; C25.1 292.23,76.57 294.88,79.22 305.31,79.22 J26.3 ; C24.1 196.07,42.32 J8.6 190.15,45.9 178.18,45.9 178.18,45.9 178.18,46.1 177.71,46.57 174.18,46.57 ; JP21.2 100.55,136.57 Y1.14 96.8,140.32 75.99,140.32 Y3.14 ; 160.92,43.57 163.46,43.57 U28.13 ; 160.92,43.57 U28.14 ; C16.1 321.56,86.96 312.02,86.96 306.78,81.73 306.78,81.44 J26.1 ; U5.32 326.41,131.3 325.31,132.4 308.56,132.4 307.67,131.51 U4.32 ; R3.2 238.32,128.57 238.33,128.56 U8.32 ; R30.2 62.47,125.94 72.79,125.94 U12.20 ; J18.38 251.13,11.11 247.03,11.11 246.68,11.47 231.13,11.47 J18.20 ; U20.20 8.24,18.88 9.5,17.62 37.22,17.62 C8.1 44.48,17.82 47.36,14.94 Y5.14 ; J16.21 9.67,115.82 10.65,115.82 10.73,115.74 33.48,115.74 35.02,117.28 JP11.1 59.36,117.28 60.96,115.69 v1(62.31,115.69) ; C30.1 174.18,46.57 ; 174.18,46.57 177.18,46.57 JP3.2
  Bottom w0.2: C28.1 127.17,65.07 127.17,73.67 v1(126.87,73.97) ; U18.51 90.43,43.32 90.46,43.32 98.84,34.94 U21.20
+5VSB: length 161.4
  In1.Cu w0.2: U16.10 21.17,47.86 21.17,50.4 20.46,50.4 ; 20.46,50.4 U16.11 ; 20.46,50.4 20.46,52.9 20.42,52.94 ; 21.17,55.48 21.17,52.94 20.42,52.94 ; 21.17,55.48 21.17,58.02 U16.14 ; 21.17,55.48 U16.13 ; U27.14 33.67,58.02 ; 33.67,58.02 33.67,55.48 33.67,55.48 ; 33.67,58.02 33.67,58.48 32.49,59.66 32.49,69 D8.1 ; U27.9 33.67,45.32 33.67,50.4 ; U16.1 11.53,58.54 11.53,65.37 12.13,65.97 13.13,65.97 13.77,66.61 13.77,109.94 D11.2 ; 33.67,55.48 33.67,55.48 33.67,50.4 ; 33.67,55.48 U27.13 ; 33.67,50.4 U27.11 ; 20.42,52.94 U16.12
  In2.Cu w0.2: U27.11 35.68,50.4 R16.1 ; D7.1 D8.1 ; D11.2 16.35,112.52 4.17,112.52 J16.9 ; U16.14 18.17,58.02 17.71,58.48 11.16,58.48 ; U27.9 30.67,45.32 29.54,46.45 23.59,46.45 22.18,47.86 U16.10 ; 11.16,58.48 11.59,58.48 U16.1 ; 11.16,58.48 R22.1
+12V: length 410.6
  Top w0.2: D9.2 19.12,96.33 29.02,96.33 31.21,94.14 31.21,93.59 U17.3
  In1.Cu w0.2: U15.1 40.9,130.03 39.65,128.77 39.65,121.63 36.56,118.55 35.26,118.55 33.09,116.38 33.09,93.59 ; C5.1 33.71,86.41 33.71,93.59 33.09,93.59 ; C3.1 15.27,75.97 15.27,94.96 D9.2 ; 33.09,93.59 U17.3 ; J17.1 12.57,131.87 9.45,128.76 8.96,128.76 4.42,124.22 4.17,124.22 J16.11 J16.10
  In2.Cu w0.2: J17.1 35.61,136.57 39.65,132.53 40.9,132.53 U15.1 ; U17.3 33.71,93.59 37.55,97.42 134.64,97.42 136.44,95.62 146.87,95.62 147.42,95.07 v1(154.42,95.07)
  Bottom w0.2: v1(154.42,95.07) 154.42,93.07 159.67,87.82 168.05,87.82 168.67,88.44 207.8,88.44 217.42,98.06 217.42,131.82 227.33,141.73 245.08,141.73 J28.60
-12V: length 326.4
  Top w0.2: v1(151.32,87.92) 150.95,87.55 131.55,87.55 v1(131.18,87.92)
  In1.Cu w0.2: v1(215.75,90.3) 216.67,91.22 216.67,91.72 216.57,91.82 216.57,92.32 216.67,92.42 216.67,121.41 216.56,121.41 216.21,121.76 216.21,122.26 216.56,122.61 216.67,122.61 216.67,135.13 v1(221.79,140.25) ; D12.1 17.65,121.37 12.22,115.94 v1(12.22,95.53) 12.22,88.85 9.79,86.42 9.67,86.42 J16.14
  In2.Cu w0.2: v1(131.18,87.92) 130.11,88.99 29.35,88.99 22.82,95.53 v1(12.22,95.53) ; J28.62 242.58,141.69 228.53,141.69 227.08,140.25 v1(221.79,140.25) ; v1(151.32,87.92) 152.36,87.92 154.13,89.69 166.53,89.69 167.41,88.82 168.8,88.82 169.42,89.44 204.14,89.44 204.41,89.71 210.77,89.71 210.91,89.57 210.91,89.57 211.16,89.32 214.77,89.32 v1(215.75,90.3)
